# Altium PCB UPS.PcbDoc (part 1 of 2) (continued)
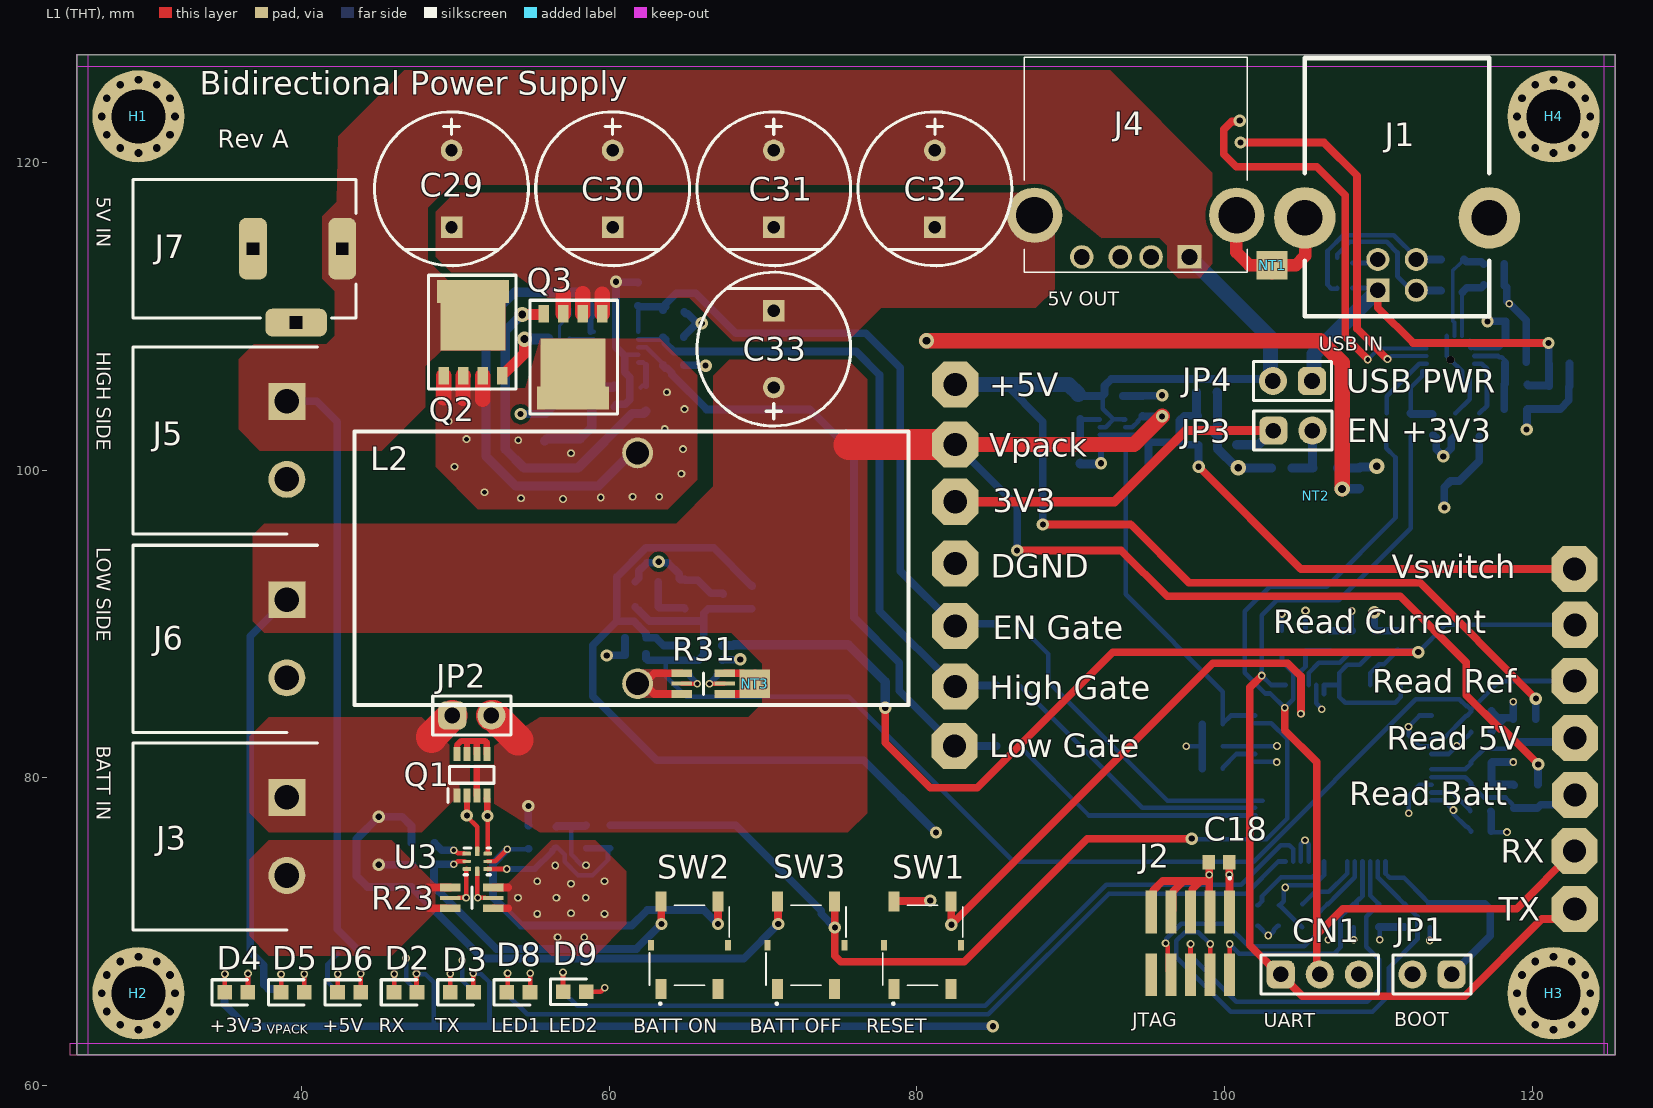
[diagram p0: L1 (THT) view]
## Part data (continued)
JP1 JP2 JP3 JP4: "Interconnection Device", Contact Resistance=20mR, Dielectric Withstanding Voltage (AC)=500V, Insulation Color=Black, Insulation Resistance=5GR, Manufacturer=Harwin, Manufacturer Part Number=M7582-46, Manufacturer Series=M75, Max Operating Temperature=105°C, Min Operating Temperature=-55°C, Rated Current (Signal)=1A, Supplier Part Number=855-M7582-46, Additional Feature="ROHS COMPLIANT", Body Breadth=0.094inch, Body Depth=0.236inch, Body Length=0.197inch, Body/Shell Style=PLUG, Category=Uncategorized, ComponentLink1Description=https://datasheet.ciiva.com:443/pdfs/VipMasterIC/IC/HRWN/HRWNS06295/HRWNS06295-1.pdf?src-supplier=IHS+Markit, ComponentLink1URL=https://datasheet.ciiva.com:443/pdfs/VipMasterIC/IC/HRWN/HRWNS06295/HRWNS06295-1.pdf?src-supplier=IHS+Markit, ComponentLink2Description=http://www.mouser.com/ds/2/181/M7580-M7583-351524.pdf?src-supplier=Mouser, ComponentLink2URL=http://www.mouser.com/ds/2/181/M7580-M7583-351524.pdf?src-supplier=Mouser, ComponentLink3Description=https://cdn.harwin.com/pdfs/Harwin_PC_Connectors_M20.pdf?src-supplier=Digikey, ComponentLink3URL=https://cdn.harwin.com/pdfs/Harwin_PC_Connectors_M20.pdf?src-supplier=Digikey, ComponentLink4Description=http://www.harwin.com/include/downloads/pdfs/2010PAGE125.PDF?src-supplier=Avnet, ComponentLink4URL=http://www.harwin.com/include/downloads/pdfs/2010PAGE125.PDF?src-supplier=Avnet, Connector Type="Interconnection Device", Contact Finish - Mating=SN, Contact Finish - Termination="Tin (Sn)", Contact Gender=Female, Contact Material=Bronze, Contact Pattern=RECTANGULAR, Contact Style="SQ PIN-SKT", Insertion Force-Max=6.672N, Insulation Material=Glass, JESD-609 Code=e3, Mating Contact Pitch=0.1inch, Mounting Style=STRAIGHT, Number Of Connectors=1, Number of Contacts=2, Number of Rows Loaded=1, Pricing="1=0.19, 10=0.125, 50=0.125, 100=0.104, 1000=0.075, 10000=0.072 (USD)", Reach SVHC Compliant=Yes, Reference Standard=UL, Reliability=COMMERCIAL, RoHS=Yes, RoHS Compliant=Yes, Stock=4991, Supplier=Mouser
L1: library part 10uH, "General Purpose Inductor, 10uH, 20%, 1 Element, Ferrite-Core, SMD, 1608M", Case/Size Code=1608-M, DC Resistance (DCR)=900mR, Inductor Application="POWER INDUCTOR", Inductor Type="GENERAL PURPOSE INDUCTOR", Manufacturer=TDK, Manufacturer Part Number=MLZ1608E100MT, Manufacturer Series=MLZ, Max Current Rating=250mA, Max Operating Temperature=125°C, Min Operating Temperature=-55°C, Package Height=0.8mm, Package Length=1.6mm, Package Style=SMTMeter, Self Resonant Frequency=50MHz, Supplier Part Number=810-MLZ1608E100MT, Test Frequency=2MHz, Tolerance=20%, Category="Fixed Inductors", Channels=1, ComponentLink1Description=https://datasheet.ciiva.com:443/pdfs/VipMasterIC/IC/TDKC/TDKCS08829/TDKCS08829-1.pdf?src-supplier=IHS+Markit, ComponentLink1URL=https://datasheet.ciiva.com:443/pdfs/VipMasterIC/IC/TDKC/TDKCS08829/TDKCS08829-1.pdf?src-supplier=IHS+Markit, ComponentLink2Description=https://datasheet.ciiva.com/11802/0900766b8082f86a-11802168.pdf?src-supplier=Rs, ComponentLink2URL=https://datasheet.ciiva.com/11802/0900766b8082f86a-11802168.pdf?src-supplier=Rs, ComponentLink3Description=https://datasheet.ciiva.com/4963/inductor-commercial-decoupling-mlz-en-310280-4963660.pdf?src-supplier=Mouser, ComponentLink3URL=https://datasheet.ciiva.com/4963/inductor-commercial-decoupling-mlz-en-310280-4963660.pdf?src-supplier=Mouser, Construction="Magnetic Shielded", Core Material=Ferrite, Inductance-Nom (L)=10uH, Package Width=0.8mm, Packaging="Tape and Reel", Pins=2, Pricing="1=0.1, 10=0.092, 50=0.092, 100=0.065, 1000=0.045, 10000=0.038 (USD)", Reach SVHC Compliant=Yes, RoHS=Yes, RoHS Compliant=Yes, Series=MLZ1608, Shape/Size Description="RECTANGULAR PACKAGE", Shielding=Shielded, Stock=135059, Supplier=Mouser, Surface Mount=Yes, Terminal Placement="Dual Ended", Termination=Wraparound
L2: "Hand made inductance"
NT1 NT2 NT3: "NetTie 1 -> 1", ID=22, Inventory_Category=Other, Part Class=NetTie, Technology=SMT
Q1: "Power Field-Effect Transistor, 11A I(D), N-Channel, Metal-oxide Semiconductor FET", Drain Current-Max (Abs) (ID)=11A, Manufacturer="ON Semiconductor", Manufacturer_Name=onsemi, Max Operating Temperature=150°C, Mouser Part Number=863-ECH8695R-TL-W, Power Dissipation-Max (Abs)=1.5W, Arrow Part Number=ECH8695R-TL-W, Arrow Price/Stock=https://www.arrow.com/en/products/ech8695r-tl-w/on-semiconductor?region=europe, Category=MOSFETs, ComponentLink1Description=https://datasheet.ciiva.com:443/pdfs/VipMasterIC/IC/ONSM/ONSM-S-A0002809098/ONSM-S-A0002809098-1.pdf?src-supplier=IHS+Markit, ComponentLink1URL=https://datasheet.ciiva.com:443/pdfs/VipMasterIC/IC/ONSM/ONSM-S-A0002809098/ONSM-S-A0002809098-1.pdf?src-supplier=IHS+Markit, ComponentLink2Description=http://www.mouser.com/ds/2/308/ENA2314-D-466764.pdf?src-supplier=Mouser, ComponentLink2URL=http://www.mouser.com/ds/2/308/ENA2314-D-466764.pdf?src-supplier=Mouser, ComponentLink3Description=http://uk.rs-online.com/webdocs/1366/0900766b81366e5e.pdf?src-supplier=Rs, ComponentLink3URL=http://uk.rs-online.com/webdocs/1366/0900766b81366e5e.pdf?src-supplier=Rs, ComponentLink4Description=http://www.alliedelec.com/m/d/7426d35da80661b4f4a350039c44cd95.pdf?src-supplier=Allied+Electronics, ComponentLink4URL=http://www.alliedelec.com/m/d/7426d35da80661b4f4a350039c44cd95.pdf?src-supplier=Allied+Electronics, ComponentLink5Description=http://www.onsemi.com/pub/Collateral/ECH8695R-D.PDF?src-supplier=Digikey, ComponentLink5URL=http://www.onsemi.com/pub/Collateral/ECH8695R-D.PDF?src-supplier=Digikey, ComponentLink6Description=http://www.onsemi.com/pub/Collateral/ENA2314-D.PDF?src-supplier=Avnet, ComponentLink6URL=http://www.onsemi.com/pub/Collateral/ENA2314-D.PDF?src-supplier=Avnet, Datasheet Link=https://datasheet.datasheetarchive.com/originals/distributors/DKDS-17/338047.pdf, FET Technology="METAL-OXIDE SEMICONDUCTOR", Height=0.95mm, JESD-609 Code=e6, Manufacturer Part Number=ECH8695R-TL-W, Manufacturer_Part_Number=ECH8695R-TL-W, Moisture Sensitivity Level=1, Mouser Price/Stock=https://www.mouser.co.uk/ProductDetail/ON-Semiconductor/ECH8695R-TL-W?qs=dbuNSGnowt2koJiK%2FkW5Eg%3D%3D, Polarity/Channel Type=N-CHANNEL, Pricing="1=0.62, 10=0.473, 50=0.473, 100=0.364, 1000=0.295, 10000=0.246 (USD)", Reach SVHC Compliant=No, RoHS=Yes, RoHS Compliant=Yes, Stock=28139, Supplier=Mouser, Supplier Part Number=863-ECH8695R-TL-W, Surface Mount=Yes, Terminal Finish=Tin
Q2 Q3: library part PSMN1R2-25YLDX, "Power Field-Effect Transistor, 100A I(D), 25V, 0.00169ohm, 1-Element, N-Channel, Silicon, Metal-oxide Semiconductor FET, MO-235", Avalanche Energy Rating (Eas)=1293mJ, Case Connection=DRAIN, Drain Current-Max (ID)=100A, Drain-source On Resistance-Max=1.69mR, DS Breakdown Voltage-Min=25V, Manufacturer=Nexperia, Operating Mode="ENHANCEMENT MODE", Package Body Material=Plastic, Package Shape=Rectangular, Package Style="SMALL OUTLINEMeter", Pulsed Drain Current-Max (IDM)=1.163kA, Supplier Part Number=771-PSMN1R2-25YLDX, Additional Feature="HIGH RELIABILITY", Category=Transistors, ComponentLink1Description=https://datasheet.ciiva.com:443/pdfs/VipMasterIC/IC/NEXP/NEXP-S-A0003107917/NEXP-S-A0003107917-1.pdf?src-supplier=IHS+Markit, ComponentLink1URL=https://datasheet.ciiva.com:443/pdfs/VipMasterIC/IC/NEXP/NEXP-S-A0003107917/NEXP-S-A0003107917-1.pdf?src-supplier=IHS+Markit, FET Technology="METAL-OXIDE SEMICONDUCTOR", JEDEC-95 Code=MO-235, Manufacturer Part Number=PSMN1R2-25YLDX, Number of Elements=1, Pins=4, Polarity/Channel Type=N-CHANNEL, Pricing="1=0.7, 10=0.694, 50=0.694, 100=0.663, 1000=0.483, 10000=0.481 (USD)", Reach SVHC Compliant=No, Reference Standard=IEC-60134, RoHS=Yes, RoHS Compliant=Yes, Stock=20971, Supplier=Mouser, Surface Mount=Yes, Terminal Form="Gull Wing", Terminal Position=SINGLE, Transistor Application=SWITCHING, Transistor Element Material=SILICON
R1 R2 R19: "Fixed Resistor, Metal Glaze/thick Film, 0.1W, 20ohm, 75V, 1% +/-Tol, 100ppm/Cel, Surface Mount, 0603", Case/Package=0603, Manufacturer=Vishay, Manufacturer Part Number=CRCW060320R0FKEA, Max Operating Temperature=155°C, Min Operating Temperature=-55°C, Package Height=0.45mm, Package Length=1.55mm, Package Shape=Rectangular, Package Width=0.85mm, Rated Temperature=70°C, Resistor Type="FIXED RESISTOR", Supplier Part Number=71-CRCW0603-20-E3, Temperature Coefficient=100ppm/°C, Working Voltage=75V, Category="Chip SMD Resistors", ComponentLink1Description=https://datasheet.ciiva.com:443/pdfs/VipMasterIC/IC/VISH/VISH-S-A0007266705/VISH-S-A0007266705-1.pdf?src-supplier=IHS+Markit, ComponentLink1URL=https://datasheet.ciiva.com:443/pdfs/VipMasterIC/IC/VISH/VISH-S-A0007266705/VISH-S-A0007266705-1.pdf?src-supplier=IHS+Markit, ComponentLink2Description=https://datasheet.ciiva.com/11810/0900766b80d98afc-11810778.pdf?src-supplier=Rs, ComponentLink2URL=https://datasheet.ciiva.com/11810/0900766b80d98afc-11810778.pdf?src-supplier=Rs, ComponentLink3Description=https://datasheet.ciiva.com/26316/fld-crcw-e3-data-en-26316589.pdf?src-supplier=Distrelec, ComponentLink3URL=https://datasheet.ciiva.com/26316/fld-crcw-e3-data-en-26316589.pdf?src-supplier=Distrelec, ComponentLink4Description=https://datasheet.ciiva.com/16776/70201119-16776202.pdf?src-supplier=Allied+Electronics, ComponentLink4URL=https://datasheet.ciiva.com/16776/70201119-16776202.pdf?src-supplier=Allied+Electronics, ComponentLink5Description=https://datasheet.ciiva.com/16788/70201119-16788011.pdf?src-supplier=Allied+Electronics, ComponentLink5URL=https://datasheet.ciiva.com/16788/70201119-16788011.pdf?src-supplier=Allied+Electronics, ComponentLink6Description=https://datasheet.ciiva.com/3257/dcrcwe3-3257244.pdf?src-supplier=Avnet, ComponentLink6URL=https://datasheet.ciiva.com/3257/dcrcwe3-3257244.pdf?src-supplier=Avnet, ComponentLink7Description=https://datasheet.ciiva.com/16374/dcrcwe3-16374634.pdf?src-supplier=Future+Electronics, ComponentLink7URL=https://datasheet.ciiva.com/16374/dcrcwe3-16374634.pdf?src-supplier=Future+Electronics, ComponentLink8Description=https://datasheet.ciiva.com/7748/1533075-7748858.pdf?src-supplier=Element14, ComponentLink8URL=https://datasheet.ciiva.com/7748/1533075-7748858.pdf?src-supplier=Element14, ComponentLink9Description=https://datasheet.ciiva.com/2465/dcrcwe3-2465673.pdf?src-supplier=Digikey, ComponentLink9URL=https://datasheet.ciiva.com/2465/dcrcwe3-2465673.pdf?src-supplier=Digikey, ComponentLink10Description=https://datasheet.ciiva.com/2465/dcrcwe3-2465674.pdf?src-supplier=Digikey, ComponentLink10URL=https://datasheet.ciiva.com/2465/dcrcwe3-2465674.pdf?src-supplier=Digikey, ComponentLink11Description=https://datasheet.ciiva.com/2465/dcrcwe3-2465672.pdf?src-supplier=Digikey, ComponentLink11URL=https://datasheet.ciiva.com/2465/dcrcwe3-2465672.pdf?src-supplier=Digikey, ComponentLink12Description=https://datasheet.ciiva.com/5548/dcrcwe3-109170-5548022.pdf?src-supplier=Mouser, ComponentLink12URL=https://datasheet.ciiva.com/5548/dcrcwe3-109170-5548022.pdf?src-supplier=Mouser, ComponentLink13Description=https://datasheet.ciiva.com/3257/dcrcwe3-3257243.pdf?src-supplier=Avnet, ComponentLink13URL=https://datasheet.ciiva.com/3257/dcrcwe3-3257243.pdf?src-supplier=Avnet, Construction=Chip, JESD-609 Code=e3, Mounting Technology="Surface Mount", Packaging="Tape and Reel", Pins=2, Pricing="1=0.1, 10=0.014, 50=0.014, 100=0.01, 1000=0.008, 10000=0.004 (USD)", Reach SVHC Compliant=Yes, Reference Standard=AEC-Q200, RoHS=Yes, RoHS Compliant=Yes, Stock=239322, Technology="METAL GLAZE/THICK FILM", Terminal Finish=Nickel, Termination=Wraparound
R3: "22.1K F 1/16 0603", Manufacturer="Mitsubishi Kamaya", Manufacturer Part Number=RMC1/16K2212FTP, Supplier Part Number=791-RMC1/16K2212FTP, Pricing="1=0.1, 10=0.011, 50=0.011, 100=0.005, 1000=0.002, 10000=0.001 (USD)", RoHS=No, Stock=67571
R4 R5 R18 R21 R33 R35 R36 R39: "Fixed Resistor, Metal Glaze/thick Film, 0.1W, 100ohm, 75V, 5% +/-Tol, 100ppm/Cel, Surface Mount, 0603", Case/Package=0603, Manufacturer=Yageo, Manufacturer Part Number=RC0603JR-13100RL, Max Operating Temperature=155°C, Min Operating Temperature=-55°C, Package Height=0.45mm, Package Length=1.6mm, Package Shape=Rectangular, Package Width=0.8mm, Rated Temperature=70°C, Resistor Type="FIXED RESISTOR", Supplier Part Number=603-RC0603JR-13100RL, Temperature Coefficient=100ppm/°C, Working Voltage=75V, Additional Feature="LASER TRIMMABLE", Category="Chip SMD Resistors", ComponentLink1Description=https://datasheet.ciiva.com:443/pdfs/VipMasterIC/IC/YAGO/YAGO-S-A0008145938/YAGO-S-A0008145938-1.pdf?src-supplier=IHS+Markit, ComponentLink1URL=https://datasheet.ciiva.com:443/pdfs/VipMasterIC/IC/YAGO/YAGO-S-A0008145938/YAGO-S-A0008145938-1.pdf?src-supplier=IHS+Markit, ComponentLink2Description=https://datasheet.ciiva.com/12558/rc0603-272842-12558903.pdf?src-supplier=Mouser, ComponentLink2URL=https://datasheet.ciiva.com/12558/rc0603-272842-12558903.pdf?src-supplier=Mouser, ComponentLink3Description=https://datasheet.ciiva.com/7983/443971-7983750.pdf?src-supplier=Element14, ComponentLink3URL=https://datasheet.ciiva.com/7983/443971-7983750.pdf?src-supplier=Element14, Construction=Chip, JESD-609 Code=e3, Mounting Technology="Surface Mount", Packaging="Tape and Reel", Pins=2, Pricing="1=0.1, 10=0.01, 50=0.01, 100=0.006, 1000=0.005, 10000=0.003 (USD)", Reach SVHC Compliant=Yes, RoHS=Yes, RoHS Compliant=Yes, Stock=92782, Technology="METAL GLAZE/THICK FILM", Terminal Finish=Nickel, Termination=Wraparound
R6 R20 R22: "Fixed Resistor, Metal Glaze/thick Film, 0.1W, 1000ohm, 75V, 1% +/-Tol, 100ppm/Cel, Surface Mount, 0603", Case/Package=0603, Manufacturer=Bourns, Manufacturer Part Number=CR0603-FX-1001ELF, Max Operating Temperature=155°C, Min Operating Temperature=-55°C, Package Height=0.45mm, Package Length=1.6mm, Package Shape=Rectangular, Package Width=0.8mm, Rated Temperature=70°C, Resistor Type="FIXED RESISTOR", Supplier Part Number=652-CR0603FX-1001ELF, Temperature Coefficient=100ppm/°C, Working Voltage=50V, Category="Chip SMD Resistors", ComponentLink1Description=https://datasheet.ciiva.com:443/pdfs/VipMasterIC/IC/BOUR/BOUR-S-A0009069624/BOUR-S-A0009069624-1.pdf?src-supplier=IHS+Markit, ComponentLink1URL=https://datasheet.ciiva.com:443/pdfs/VipMasterIC/IC/BOUR/BOUR-S-A0009069624/BOUR-S-A0009069624-1.pdf?src-supplier=IHS+Markit, ComponentLink2Description=https://datasheet.ciiva.com/11808/0900766b80fcdb72-11808035.pdf?src-supplier=Rs, ComponentLink2URL=https://datasheet.ciiva.com/11808/0900766b80fcdb72-11808035.pdf?src-supplier=Rs, ComponentLink3Description=https://datasheet.ciiva.com/19466/774882-19466523.pdf?src-supplier=Jameco, ComponentLink3URL=https://datasheet.ciiva.com/19466/774882-19466523.pdf?src-supplier=Jameco, ComponentLink4Description=https://datasheet.ciiva.com/7001/1902866-7001622.pdf?src-supplier=Newark, ComponentLink4URL=https://datasheet.ciiva.com/7001/1902866-7001622.pdf?src-supplier=Newark, ComponentLink5Description=https://datasheet.ciiva.com/7986/691949-7986156.pdf?src-supplier=Element14, ComponentLink5URL=https://datasheet.ciiva.com/7986/691949-7986156.pdf?src-supplier=Element14, ComponentLink6Description=https://datasheet.ciiva.com/22693/1902866-22693205.pdf?src-supplier=Element14, ComponentLink6URL=https://datasheet.ciiva.com/22693/1902866-22693205.pdf?src-supplier=Element14, ComponentLink7Description=https://datasheet.ciiva.com/5546/chpreztr-5546283.pdf?src-supplier=Mouser, ComponentLink7URL=https://datasheet.ciiva.com/5546/chpreztr-5546283.pdf?src-supplier=Mouser, ComponentLink8Description=https://datasheet.ciiva.com/16757/70154685-16757482.pdf?src-supplier=Allied+Electronics, ComponentLink8URL=https://datasheet.ciiva.com/16757/70154685-16757482.pdf?src-supplier=Allied+Electronics, ComponentLink9Description=https://datasheet.ciiva.com/3255/chpreztr-3255917.pdf?src-supplier=Avnet, ComponentLink9URL=https://datasheet.ciiva.com/3255/chpreztr-3255917.pdf?src-supplier=Avnet, ComponentLink10Description=https://datasheet.ciiva.com/6547/chpreztr-6547350.pdf?src-supplier=Digikey, ComponentLink10URL=https://datasheet.ciiva.com/6547/chpreztr-6547350.pdf?src-supplier=Digikey, ComponentLink11Description=https://datasheet.ciiva.com/6547/chpreztr-6547351.pdf?src-supplier=Digikey, ComponentLink11URL=https://datasheet.ciiva.com/6547/chpreztr-6547351.pdf?src-supplier=Digikey, ComponentLink12Description=https://datasheet.ciiva.com/6547/chpreztr-6547349.pdf?src-supplier=Digikey, ComponentLink12URL=https://datasheet.ciiva.com/6547/chpreztr-6547349.pdf?src-supplier=Digikey, ComponentLink13Description=https://datasheet.ciiva.com/30115/159chpreztr-30115222.pdf?src-supplier=Onlinecomponents.com, ComponentLink13URL=https://datasheet.ciiva.com/30115/159chpreztr-30115222.pdf?src-supplier=Onlinecomponents.com, Construction=Chip, JESD-609 Code=e3, Mounting Technology="Surface Mount", Packaging="Tape and Reel", Pins=2, Pricing="1=0.1, 10=0.009, 50=0.009, 100=0.005, 1000=0.004, 10000=0.002 (USD)", Reach SVHC Compliant=Yes, RoHS=Yes, RoHS Compliant=Yes, Stock=320220, Technology="RUTHENIUM OXIDE", Terminal Finish=Nickel, Termination=Wraparound
R7: "Fixed Resistor, Metal Glaze/thick Film, 0.1W, 47500ohm, 75V, 1% +/-Tol, 100ppm/Cel, Surface Mount, 0603", Case/Package=0603, Manufacturer=Yageo, Manufacturer Part Number=RC0603FR-0747K5L, Max Operating Temperature=155°C, Min Operating Temperature=-55°C, Package Height=0.45mm, Package Length=1.6mm, Package Shape=Rectangular, Package Width=0.8mm, Rated Temperature=70°C, Resistor Type="FIXED RESISTOR", Supplier Part Number=603-RC0603FR-0747K5L, Temperature Coefficient=100ppm/°C, Working Voltage=75V, Additional Feature="LASER TRIMMABLE", Category="Chip SMD Resistors", ComponentLink1Description=https://datasheet.ciiva.com:443/pdfs/VipMasterIC/IC/YAGO/YAGO-S-A0008145938/YAGO-S-A0008145938-1.pdf?src-supplier=IHS+Markit, ComponentLink1URL=https://datasheet.ciiva.com:443/pdfs/VipMasterIC/IC/YAGO/YAGO-S-A0008145938/YAGO-S-A0008145938-1.pdf?src-supplier=IHS+Markit, ComponentLink2Description=https://datasheet.ciiva.com/11808/0900766b80f96399-11808343.pdf?src-supplier=Rs, ComponentLink2URL=https://datasheet.ciiva.com/11808/0900766b80f96399-11808343.pdf?src-supplier=Rs, ComponentLink3Description=https://datasheet.ciiva.com/2454/pyu-r-int-thick-7-2454789.pdf?src-supplier=Digikey, ComponentLink3URL=https://datasheet.ciiva.com/2454/pyu-r-int-thick-7-2454789.pdf?src-supplier=Digikey, ComponentLink4Description=https://datasheet.ciiva.com/2454/pyu-r-int-thick-7-2454790.pdf?src-supplier=Digikey, ComponentLink4URL=https://datasheet.ciiva.com/2454/pyu-r-int-thick-7-2454790.pdf?src-supplier=Digikey, ComponentLink5Description=https://datasheet.ciiva.com/2454/pyu-r-int-thick-7-2454791.pdf?src-supplier=Digikey, ComponentLink5URL=https://datasheet.ciiva.com/2454/pyu-r-int-thick-7-2454791.pdf?src-supplier=Digikey, ComponentLink6Description=https://datasheet.ciiva.com/12555/rc0603-272842-12555285.pdf?src-supplier=Mouser, ComponentLink6URL=https://datasheet.ciiva.com/12555/rc0603-272842-12555285.pdf?src-supplier=Mouser, ComponentLink7Description=https://datasheet.ciiva.com/15189/getdatasheetpartid-135115-15189741.pdf?src-supplier=Verical, ComponentLink7URL=https://datasheet.ciiva.com/15189/getdatasheetpartid-135115-15189741.pdf?src-supplier=Verical, Construction=Chip, JESD-609 Code=e3, Mounting Technology="Surface Mount", Packaging="Tape and Reel", Pins=2, Pricing="1=0.1, 10=0.011, 50=0.011, 100=0.007, 1000=0.005, 10000=0.002 (USD)", Reach SVHC Compliant=Yes, RoHS=Yes, RoHS Compliant=Yes, Stock=313163, Technology="METAL GLAZE/THICK FILM", Terminal Finish=Nickel, Termination=Wraparound
R8 R9 R24 R27 R28 R29 R46 R47: "Fixed Resistor, Metal Glaze/thick Film, 0.1W, 330ohm, 75V, 1% +/-Tol, 100ppm/Cel, Surface Mount, 0603", Case/Package=0603, Manufacturer="Walsin Technologies", Manufacturer Part Number=WR06X3300FTL, Max Operating Temperature=155°C, Min Operating Temperature=-55°C, Package Height=0.45mm, Package Length=1.6mm, Package Shape=Rectangular, Package Width=0.8mm, Rated Temperature=70°C, Resistor Type="FIXED RESISTOR", Supplier Part Number=791-WR06X3300FTL, Temperature Coefficient=100ppm/°C, Working Voltage=50V, Category="Chip SMD Resistors", ComponentLink1Description=https://datasheet.ciiva.com:443/pdfs/VipMasterIC/IC/WATC/WATC-S-A0005256878/WATC-S-A0005256878-1.pdf?src-supplier=IHS+Markit, ComponentLink1URL=https://datasheet.ciiva.com:443/pdfs/VipMasterIC/IC/WATC/WATC-S-A0005256878/WATC-S-A0005256878-1.pdf?src-supplier=IHS+Markit, ComponentLink2Description=http://www.farnell.com/datasheets/1960319.pdf?src-supplier=Farnell, ComponentLink2URL=http://www.farnell.com/datasheets/1960319.pdf?src-supplier=Farnell, ComponentLink3Description=https://datasheet.octopart.com/WR06X3300FTL-Walsin-Technologies-datasheet-48038251.pdf?src-supplier=Element14, ComponentLink3URL=https://datasheet.octopart.com/WR06X3300FTL-Walsin-Technologies-datasheet-48038251.pdf?src-supplier=Element14, ComponentLink4Description=https://www.verical.com/server-webapp/html/getDatasheet?partID=414704&src-supplier=Verical, ComponentLink4URL=https://www.verical.com/server-webapp/html/getDatasheet?partID=414704&src-supplier=Verical, Construction=Chip, JESD-609 Code=e3, Mounting Technology="Surface Mount", Packaging="Tape and Reel", Pins=2, Pricing="1=0.1, 10=0.007, 50=0.007, 100=0.003, 1000=0.003, 10000=0.001 (USD)", Reach SVHC Compliant=Yes, RoHS=Yes, RoHS Compliant=Yes, Stock=10415, Technology="METAL GLAZE/THICK FILM", Terminal Finish=Nickel, Termination=Wraparound
R10 R25 R26 R30 R38 R45: "Fixed Resistor, Metal Glaze/thick Film, 0.1W, 10000ohm, 75V, 1% +/-Tol, 100ppm/Cel, Surface Mount, 0603", Case/Package=0603, Manufacturer=Bourns, Manufacturer Part Number=CR0603-FX-1002ELF, Max Operating Temperature=155°C, Min Operating Temperature=-55°C, Package Height=0.45mm, Package Length=1.6mm, Package Shape=Rectangular, Package Width=0.8mm, Rated Temperature=70°C, Resistor Type="FIXED RESISTOR", Supplier Part Number=652-CR0603FX-1002ELF, Temperature Coefficient=100ppm/°C, Working Voltage=50V, Category="Chip SMD Resistors", ComponentLink1Description=https://datasheet.ciiva.com:443/pdfs/VipMasterIC/IC/BOUR/BOUR-S-A0009069624/BOUR-S-A0009069624-1.pdf?src-supplier=IHS+Markit, ComponentLink1URL=https://datasheet.ciiva.com:443/pdfs/VipMasterIC/IC/BOUR/BOUR-S-A0009069624/BOUR-S-A0009069624-1.pdf?src-supplier=IHS+Markit, ComponentLink2Description=https://datasheet.ciiva.com/11808/0900766b80fcdb72-11808032.pdf?src-supplier=Rs, ComponentLink2URL=https://datasheet.ciiva.com/11808/0900766b80fcdb72-11808032.pdf?src-supplier=Rs, ComponentLink3Description=https://datasheet.ciiva.com/27049/774903-27049975.pdf?src-supplier=Jameco, ComponentLink3URL=https://datasheet.ciiva.com/27049/774903-27049975.pdf?src-supplier=Jameco, ComponentLink4Description=https://datasheet.ciiva.com/22644/1849498-22644171.pdf?src-supplier=Element14, ComponentLink4URL=https://datasheet.ciiva.com/22644/1849498-22644171.pdf?src-supplier=Element14, ComponentLink5Description=https://datasheet.ciiva.com/22693/1902866-22693206.pdf?src-supplier=Element14, ComponentLink5URL=https://datasheet.ciiva.com/22693/1902866-22693206.pdf?src-supplier=Element14, ComponentLink6Description=https://datasheet.ciiva.com/5548/chpreztr-5548911.pdf?src-supplier=Mouser, ComponentLink6URL=https://datasheet.ciiva.com/5548/chpreztr-5548911.pdf?src-supplier=Mouser, ComponentLink7Description=https://datasheet.ciiva.com/16757/70154685-16757483.pdf?src-supplier=Allied+Electronics, ComponentLink7URL=https://datasheet.ciiva.com/16757/70154685-16757483.pdf?src-supplier=Allied+Electronics, ComponentLink8Description=https://datasheet.ciiva.com/3255/chpreztr-3255918.pdf?src-supplier=Avnet, ComponentLink8URL=https://datasheet.ciiva.com/3255/chpreztr-3255918.pdf?src-supplier=Avnet, ComponentLink9Description=https://datasheet.ciiva.com/7001/1902866-7001623.pdf?src-supplier=Newark, ComponentLink9URL=https://datasheet.ciiva.com/7001/1902866-7001623.pdf?src-supplier=Newark, Construction=Chip, JESD-609 Code=e3, Mounting Technology="Surface Mount", Packaging="Tape and Reel", Pins=2, Pricing="1=0.1, 10=0.009, 50=0.009, 100=0.005, 1000=0.004, 10000=0.002 (USD)", Reach SVHC Compliant=Yes, RoHS=Yes, RoHS Compliant=Yes, Stock=335503, Technology="RUTHENIUM OXIDE", Terminal Finish=Nickel, Termination=Wraparound
R11 R40 R41 R42: "Fixed Resistor, Metal Glaze/thick Film, 0.1W, 3300ohm, 75V, 1% +/-Tol, 100ppm/Cel, Surface Mount, 0603", Case/Package=0603, Manufacturer=Yageo, Manufacturer Part Number=RC0603FR-073K3L, Max Operating Temperature=155°C, Min Operating Temperature=-55°C, Package Height=0.45mm, Package Length=1.6mm, Package Shape=Rectangular, Package Width=0.8mm, Power=100mW, Rated Temperature=70°C, Resistor Type="FIXED RESISTOR", Supplier Part Number=603-RC0603FR-073K3L, Temperature Coefficient=100ppm/°C, Tolerance=1%, Working Voltage=75V, Additional Feature="LASER TRIMMABLE", Category="Chip SMD Resistors", ComponentLink1Description=https://datasheet.ciiva.com:443/pdfs/VipMasterIC/IC/YAGO/YAGO-S-A0008145938/YAGO-S-A0008145938-1.pdf?src-supplier=IHS+Markit, ComponentLink1URL=https://datasheet.ciiva.com:443/pdfs/VipMasterIC/IC/YAGO/YAGO-S-A0008145938/YAGO-S-A0008145938-1.pdf?src-supplier=IHS+Markit, ComponentLink2Description=https://datasheet.ciiva.com/7746/1686128-7746345.pdf?src-supplier=Element14, ComponentLink2URL=https://datasheet.ciiva.com/7746/1686128-7746345.pdf?src-supplier=Element14, ComponentLink3Description=https://datasheet.ciiva.com/46440/1868787-46440905.pdf?src-supplier=Element14, ComponentLink3URL=https://datasheet.ciiva.com/46440/1868787-46440905.pdf?src-supplier=Element14, ComponentLink4Description=https://datasheet.ciiva.com/2453/pyu-r-int-thick-7-2453926.pdf?src-supplier=Digikey, ComponentLink4URL=https://datasheet.ciiva.com/2453/pyu-r-int-thick-7-2453926.pdf?src-supplier=Digikey, ComponentLink5Description=https://datasheet.ciiva.com/2453/pyu-r-int-thick-7-2453927.pdf?src-supplier=Digikey, ComponentLink5URL=https://datasheet.ciiva.com/2453/pyu-r-int-thick-7-2453927.pdf?src-supplier=Digikey, ComponentLink6Description=https://datasheet.ciiva.com/7746/443971-7746344.pdf?src-supplier=Element14, ComponentLink6URL=https://datasheet.ciiva.com/7746/443971-7746344.pdf?src-supplier=Element14, ComponentLink7Description=https://datasheet.ciiva.com/7746/443971-7746346.pdf?src-supplier=Element14, ComponentLink7URL=https://datasheet.ciiva.com/7746/443971-7746346.pdf?src-supplier=Element14, Construction=Chip, JESD-609 Code=e3, Mounting Technology="Surface Mount", Packaging="Tape and Reel", Pins=2, Pricing="1=0.1, 10=0.012, 50=0.012, 100=0.007, 1000=0.005, 10000=0.004 (USD)", Reach SVHC Compliant=Yes, RoHS=Yes, RoHS Compliant=Yes, Stock=104017, Supplier=Mouser, Technology="METAL GLAZE/THICK FILM", Terminal Finish=Nickel, Termination=Wraparound
R12 R13 R14 R15 R16 R17 R43 R44: "Fixed Resistor, Metal Glaze/thick Film, 0.1W, 4700ohm, 75V, 1% +/-Tol, 100ppm/Cel, Surface Mount, 0603", Case/Package=0603, Manufacturer=Yageo, Manufacturer Part Number=AC0603FR-134K7L, Max Operating Temperature=155°C, Min Operating Temperature=-55°C, Package Height=0.45mm, Package Length=1.6mm, Package Shape=Rectangular, Package Width=0.8mm, Rated Temperature=70°C, Resistor Type="FIXED RESISTOR", Supplier Part Number=603-AC0603FR-134K7L, Temperature Coefficient=100ppm/°C, Working Voltage=75V, Additional Feature="LASER TRIMMABLE", Category="Chip SMD Resistors", ComponentLink1Description=https://datasheet.ciiva.com:443/pdfs/VipMasterIC/IC/YAGO/YAGO-S-A0003597364/YAGO-S-A0003597364-1.pdf?src-supplier=IHS+Markit, ComponentLink1URL=https://datasheet.ciiva.com:443/pdfs/VipMasterIC/IC/YAGO/YAGO-S-A0003597364/YAGO-S-A0003597364-1.pdf?src-supplier=IHS+Markit, ComponentLink2Description=https://datasheet.octopart.com/AC0603FR-134K7L-Yageo-datasheet-151884373.pdf?src-supplier=Future+Electronics, ComponentLink2URL=https://datasheet.octopart.com/AC0603FR-134K7L-Yageo-datasheet-151884373.pdf?src-supplier=Future+Electronics, Construction=Chip, JESD-609 Code=e3, Mounting Technology="Surface Mount", Packaging="Tape and Reel", Pins=2, Pricing="1=0.1, 10=0.009, 50=0.009, 100=0.006, 1000=0.005, 10000=0.003 (USD)", Reach SVHC Compliant=Yes, Reference Standard=AEC-Q200, RoHS=Yes, RoHS Compliant=Yes, Stock=48833, Technology="METAL GLAZE/THICK FILM", Terminal Finish=Nickel, Termination=Wraparound
R23: "Resistor Current Sense Metal Foil 1206 5m Ohm 1% 1W ±50ppm/°C T/R", Manufacturer=Eaton, Manufacturer Part Number=MFSA1206R0050FCM, Supplier Part Number=504-MFSA1206R0050FCM, Temperature Coefficient=50ppm/°C, Category="Chip SMD Resistors", Pricing="1=0.21, 10=0.173, 50=0.173, 100=0.128, 1000=0.096, 10000=0.062 (USD)", RoHS=No, Stock=9199
R31: "Resistor Current Sense Metal Foil 1206 10m Ohm 1% 1W ±50ppm/°C T/R", Manufacturer=Eaton, Manufacturer Part Number=MFSA1206R0050FCM, Supplier Part Number=504-MFSA1206R0050FCM, Temperature Coefficient=50ppm/°C, Category="Chip SMD Resistors", Pricing="1=0.21, 10=0.173, 50=0.173, 100=0.128, 1000=0.096, 10000=0.062 (USD)", RoHS=No, Stock=9199
R32 R34 R37: library part 5R, "Fixed Resistor, Thin Film, 0.1W, 5.1ohm, 75V, 0.5% +/-Tol, 25ppm/Cel, Surface Mount, 0603", Case/Package=0603, Manufacturer=Yageo, Manufacturer Part Number=RT0603DRD075R1L, Max Operating Temperature=155°C, Min Operating Temperature=-55°C, Package Height=0.45mm, Package Length=1.6mm, Package Width=0.8mm, Rated Temperature=70°C, Resistor Type="FIXED RESISTOR", Supplier Part Number=603-RT0603DRD075R1L, Temperature Coefficient=25ppm/°C, Working Voltage=75V, Category="Chip SMD Resistors", ComponentLink1Description=https://datasheet.ciiva.com:443/pdfs/VipMasterIC/IC/YAGO/YAGO-S-A0008510989/YAGO-S-A0008510989-1.pdf?src-supplier=IHS+Markit, ComponentLink1URL=https://datasheet.ciiva.com:443/pdfs/VipMasterIC/IC/YAGO/YAGO-S-A0008510989/YAGO-S-A0008510989-1.pdf?src-supplier=IHS+Markit, ComponentLink2Description=http://www.yageo.com/documents/recent/PYu-RT_1-to-0.01_RoHS_L_9.pdf?src-supplier=Digikey, ComponentLink2URL=http://www.yageo.com/documents/recent/PYu-RT_1-to-0.01_RoHS_L_9.pdf?src-supplier=Digikey, Construction=Chip, Mounting Technology="Surface Mount", Packaging="Tape and Reel", Pins=2, Pricing="1=0.1, 10=0.041, 50=0.041, 100=0.037, 1000=0.027, 10000=0.023 (USD)", Reach SVHC Compliant=Yes, RoHS=Yes, RoHS Compliant=Yes, Stock=10238, Technology="THIN FILM", Termination=Wraparound
SW1 SW2 SW3: "PTS526 Series SPST-NO Off-Mom 160 gf Top Actuated J Lead SMT Tactile Switch", Manufacturer="ITT C&K", Manufacturer Part Number=PTS526SMG15JSMTR2LFS, Supplier Part Number=611-TS526SMG15JSMR2L, Category="Tactile Switches", ComponentLink1Description=https://dznh3ojzb2azq.cloudfront.net/products/Tactile/PTS526/documents/datasheet.pdf?src-supplier=Digikey, ComponentLink1URL=https://dznh3ojzb2azq.cloudfront.net/products/Tactile/PTS526/documents/datasheet.pdf?src-supplier=Digikey, ComponentLink2Description=https://datasheet.octopart.com/PTS526SMG15JSMTR2LFS-C%26K-Components-datasheet-138817219.pdf?src-supplier=Future+Electronics, ComponentLink2URL=https://datasheet.octopart.com/PTS526SMG15JSMTR2LFS-C%26K-Components-datasheet-138817219.pdf?src-supplier=Future+Electronics, ComponentLink3Description=https://datasheet.octopart.com/PTS526SMG15JSMTR2LFS-C%26K-Components-datasheet-166147767.pdf?src-supplier=TME, ComponentLink3URL=https://datasheet.octopart.com/PTS526SMG15JSMTR2LFS-C%26K-Components-datasheet-166147767.pdf?src-supplier=TME, CompType="DTSM 32N/SMD", Distributor=RET, Note=DIPTRONICS, Order Code=52-01-71, Part Class=Other, Pricing="1=0.14, 10=0.118, 50=0.118, 100=0.112, 1000=0.086, 10000=0.083 (USD)", RoHS=No, Stock=4081, Supplier=Mouser
U1: "USB Bus Controller, CMOS", Manufacturer="Silicon Labs", Mouser Part Number=634-CP2102NA02QFN20R, Arrow Part Number=CP2102N-A02-GQFN20R, Arrow Price/Stock=https://www.arrow.com/en/products/cp2102n-a02-gqfn20r/silicon-labs?utm_currency=USD&region=nac, Category="Interface ICs", ComponentLink1Description=https://datasheet.ciiva.com:443/pdfs/VipMasterIC/IC/SILC/SILC-S-A0007770867/SILC-S-A0007770867-1.pdf?src-supplier=IHS+Markit, ComponentLink1URL=https://datasheet.ciiva.com:443/pdfs/VipMasterIC/IC/SILC/SILC-S-A0007770867/SILC-S-A0007770867-1.pdf?src-supplier=IHS+Markit, ComponentLink2Description=https://www.silabs.com/documents/public/data-sheets/cp2102n-datasheet.pdf?src-supplier=Digikey, ComponentLink2URL=https://www.silabs.com/documents/public/data-sheets/cp2102n-datasheet.pdf?src-supplier=Digikey, ComponentLink3Description=https://datasheet.octopart.com/CP2102N-A02-GQFN20R-Silicon-Labs-datasheet-138898368.pdf?src-supplier=SHENGYU+ELECTRONICS, ComponentLink3URL=https://datasheet.octopart.com/CP2102N-A02-GQFN20R-Silicon-Labs-datasheet-138898368.pdf?src-supplier=SHENGYU+ELECTRONICS, Datasheet Link=https://www.silabs.com/documents/public/data-sheets/cp2102n-datasheet.pdf, Height=0.8mm, Manufacturer Part Number=CP2102N-A02-GQFN20R, Manufacturer_Name="Silicon Labs", Manufacturer_Part_Number=CP2102N-A02-GQFN20R, Mouser Price/Stock=https://www.mouser.co.uk/ProductDetail/Silicon-Labs/CP2102N-A02-GQFN20R?qs=u16ybLDytRbf2uwPkMBdUg%3D%3D, Pricing="1=3.75, 10=3.73, 50=3.61, 100=3.24, 1000=2.43, 10000=2.08 (USD)", RoHS=Yes, Stock=75912, Supplier=Mouser, Supplier Part Number=634-CP2102NA02QFN20R
U2: library part F280038CPMRQ1, "Automotive C2000™ 32-bit MCU 120-MHz 384-KB flash, FPU, TMU with CLA, AES and CAN-FD", Manufacturer="Texas Instruments", Supplier Part Number=595-F280038PMRQ1, Category=Uncategorized, CompType=TMS320F280038-Q1, Copyright="Copyright (C) 2023 Ultra Librarian. All rights reserved.", Distributor=TI, Manufacturer Part Number=F280038PMRQ1, Manufacturer_Part_Number=F280038PMRQ1, Mfr_Name="Texas Instruments", Pricing="1=7.79, 10=7.04, 50=6.72, 100=5.83, 1000=4.35, 10000=4.35 (USD)", RefDes=RefDes, RoHS=No, Stock=993, Supplier=Mouser, Type=DEV
U3: "High-side protector for single-cell Li-ion and Li-polymer batteries with 0-V charge disabled 8-X2QFN -40 to 85", Manufacturer="Texas Instruments", Manufacturer Part Number=BQ298217RUGR, Supplier Part Number=595-BQ298217RUGR, Category="Integrated Circuits (ICs)", Pricing="1=0.69, 10=0.418, 50=0.418, 100=0.329, 1000=0.297, 10000=0.252 (USD)", RoHS=No, Stock=2505, Supplier=Mouser
U4: "Single-Ended Multiplexer, 1 Func, 2 Channel, PDSO8", Manufacturer="Texas Instruments", Manufacturer Part Number=TPS2116DRLR, Supplier Part Number=595-TPS2116DRLR, Category="Integrated Circuits (ICs)", Pricing="1=0.87, 10=0.736, 50=0.736, 100=0.565, 1000=0.394, 10000=0.336 (USD)", RoHS=No, RoHS Compliant=Yes, Stock=36554, Supplier=Mouser
U5: "Fixed Positive LDO Regulator, 3.3V, 0.25V Dropout, PDSO5", Manufacturer="Texas Instruments", Mouser Part Number=595-LP5907QMFX-3.3Q1, Arrow Part Number=LP5907QMFX-3.3Q1, Arrow Price/Stock=https://www.arrow.com/en/products/lp5907qmfx-3.3q1/texas-instruments, Category="Voltage Regulators - Linear", ComponentLink1Description=https://datasheet.ciiva.com:443/pdfs/VipMasterIC/IC/TXII/TXII-S-A0007849761/TXII-S-A0007849761-1.pdf?src-supplier=IHS+Markit, ComponentLink1URL=https://datasheet.ciiva.com:443/pdfs/VipMasterIC/IC/TXII/TXII-S-A0007849761/TXII-S-A0007849761-1.pdf?src-supplier=IHS+Markit, ComponentLink2Description=https://datasheet.ciiva.com/48677/lp5907-q1-48677563.pdf?src-supplier=Avnet, ComponentLink2URL=https://datasheet.ciiva.com/48677/lp5907-q1-48677563.pdf?src-supplier=Avnet, Datasheet Link=http://www.ti.com/lit/gpn/lp5907-q1, Height=1.45mm, Manufacturer Part Number=LP5907QMFX-3.3Q1, Manufacturer_Name="Texas Instruments", Manufacturer_Part_Number=LP5907QMFX-3.3Q1, Mouser Price/Stock=https://www.mouser.co.uk/ProductDetail/Texas-Instruments/LP5907QMFX-3.3Q1?qs=asCBFxFfL1RsL2VYqGFsBQ%3D%3D, Pricing="1=0.45, 10=0.274, 50=0.274, 100=0.22, 1000=0.22, 10000=0.218 (USD)", RoHS=No, Stock=6545, Supplier=Mouser, Supplier Part Number=595-LP5907QMFX-3.3Q1
U6: "Half Bridge Based MOSFET Driver", Manufacturer=Diodes, Supplier Part Number=621-DGD05473FN-7, Category="Integrated Circuits (ICs)", ComponentLink1Description=https://datasheet.ciiva.com:443/pdfs/VipMasterIC/IC/DIOD/DIOD-S-A0005038989/DIOD-S-A0005038989-1.pdf?src-supplier=IHS+Markit, ComponentLink1URL=https://datasheet.ciiva.com:443/pdfs/VipMasterIC/IC/DIOD/DIOD-S-A0005038989/DIOD-S-A0005038989-1.pdf?src-supplier=IHS+Markit, ComponentLink2Description=https://www.diodes.com/assets/Datasheets/DGD05473.pdf?src-supplier=Digikey, ComponentLink2URL=https://www.diodes.com/assets/Datasheets/DGD05473.pdf?src-supplier=Digikey, Interface IC Type="HALF BRIDGE BASED MOSFET DRIVER", Manufacturer Part Number=DGD05473FN-7, Pricing="1=0.57, 10=0.568, 50=0.568, 100=0.414, 1000=0.372, 10000=0.305 (USD)", Reach SVHC Compliant=Yes, RoHS=Yes, RoHS Compliant=Yes, Stock=8142, Supplier=Mouser
U7: "Operational Amplifier, 1 Func, 500uV Offset-Max, PDSO6", Average Bias Current-Max (IIB)=75uA, Case/Package=SOP, Input Offset Voltage-Max=500uV, Manufacturer="Texas Instruments", Manufacturer Part Number=INA181A1IDBVR, Max Operating Temperature=125°C, Min Operating Temperature=-40°C, Nominal Supply Voltage=5V, Package Body Material=Plastic, Package Shape=Rectangular, Package Style="SMALL OUTLINEMeter", Peak Reflow Temperature (Cel)=260°C, Supplier Part Number=595-INA181A1IDBVR, Supply Voltage Limit-Max=5.5V, Temperature Grade=AUTOMOTIVE, Amplifier Type="OPERATIONAL AMPLIFIER", Category="Amplifiers - Op Amps, Buffer, Instrumentation", Channels=1, Common-mode Reject Ratio-Nom=100dB, ComponentLink1Description=https://www.ti.com:443/lit/ds/symlink/ina181.pdf?src-supplier=IHS+Markit, ComponentLink1URL=https://www.ti.com:443/lit/ds/symlink/ina181.pdf?src-supplier=IHS+Markit, ComponentLink2Description=http://www.ti.com/lit/ds/symlink/ina181.pdf?src-supplier=Digikey, ComponentLink2URL=http://www.ti.com/lit/ds/symlink/ina181.pdf?src-supplier=Digikey, JESD-30 Code=R-PDSO-G6, JESD-609 Code=e3, Moisture Sensitivity Level=1, Pins=6, Pricing="1=0.43, 10=0.256, 50=0.256, 100=0.198, 1000=0.169, 10000=0.147 (USD)", Reach SVHC Compliant=Yes, RoHS=Yes, RoHS Compliant=Yes, Slew Rate=2V/µs, Stock=103029, Supplier=Mouser, Surface Mount=Yes, Terminal Finish=Tin, Terminal Form="Gull Wing", Terminal Position=DUAL, Unity Gain BW-Nom=350kHz
U8: "Three Terminal Voltage Reference, 1 Output, 1.24V, Trim/Adjustable, BIPolar, PDSO5", Case/Package=LSSOP, Manufacturer="Texas Instruments", Manufacturer Part Number=TLV431CDBVR, Max Operating Temperature=70°C, Max Output current=10mA, Max Output Voltage=1.258V, Max Supply Voltage=6V, Min Operating Temperature=0°C, Min Output Voltage=1.222V, Min Supply Voltage=1.24V, Package Body Material=Plastic, Package Equivalence Code=TSOP5/6,.11,37, Package Shape=Rectangular, Package Style="SMALL OUTLINE, LOW PROFILE, SHRINK PITCHMeter", Peak Reflow Temperature (Cel)=260°C, Supplier Part Number=595-TLV431CDBVR, Temp Coef of Voltage-Max=138.249ppm/°C, Temperature Grade=COMMERCIAL, Category="Voltage References", Channels=1, ComponentLink1Description=https://www.ti.com:443/lit/ds/symlink/tlv431.pdf?src-supplier=IHS+Markit, ComponentLink1URL=https://www.ti.com:443/lit/ds/symlink/tlv431.pdf?src-supplier=IHS+Markit, ComponentLink2Description=https://datasheet.ciiva.com/4065/29560336s9640988n7713-4065870.pdf?src-supplier=Arrow+Electronics, ComponentLink2URL=https://datasheet.ciiva.com/4065/29560336s9640988n7713-4065870.pdf?src-supplier=Arrow+Electronics, ComponentLink3Description=https://datasheet.ciiva.com/2006/tlv431a-2006342.pdf?src-supplier=Digikey, ComponentLink3URL=https://datasheet.ciiva.com/2006/tlv431a-2006342.pdf?src-supplier=Digikey, ComponentLink4Description=https://datasheet.ciiva.com/2006/tlv431a-2006343.pdf?src-supplier=Digikey, ComponentLink4URL=https://datasheet.ciiva.com/2006/tlv431a-2006343.pdf?src-supplier=Digikey, ComponentLink5Description=https://datasheet.ciiva.com/2006/tlv431a-2006344.pdf?src-supplier=Digikey, ComponentLink5URL=https://datasheet.ciiva.com/2006/tlv431a-2006344.pdf?src-supplier=Digikey, Height - Seated (Max)=1.45mm, JESD-30 Code=R-PDSO-G5, JESD-609 Code=e4, Length=2.9mm, Moisture Sensitivity Level=1, Nominal Output Voltage=1.24V, Number of Outputs=1, Pins=5, Pricing="1=0.34, 10=0.274, 50=0.274, 100=0.203, 1000=0.138, 10000=0.137 (USD)", Qualification Status="Not Qualified", Reach SVHC Compliant=Yes, RoHS=Yes, RoHS Compliant=Yes, Stock=5017, Supplier=Mouser, Surface Mount=Yes, Technology=BIPOLAR, Terminal Finish=Nickel, Terminal Form="Gull Wing", Terminal Pitch=0.95mm, Terminal Position=DUAL, Throw Configuration="THREE TERMINAL VOLTAGE REFERENCE", Trim/Adjustable Output=Yes, Width=1.6mm

## Via types
v1: diameter 0.5, hole 0.3, L1 (THT) to L4 (SMD), 84 vias
v2: diameter 0.5, hole 0.5, L1 (THT) to L4 (SMD), 49 vias
v3: diameter 0.8, hole 0.4, L1 (THT) to L4 (SMD), 39 vias
v4: diameter 1, hole 0.5, L1 (THT) to L4 (SMD), 6 vias
v5: diameter 0.56, hole 0.3, L1 (THT) to L4 (SMD), 2 vias

## Nets (pads, with @x,y where several pads share a name; then routed paths per layer and width w, separated by ;. In a path a pad name is that pad's centre, name@x,y a point inside that pad or via, vN(x,y) a via of type N, cw(c..) or ccw(c..) an arc to the next point about the centre after c; other vN are vias at no path point)
+1V2: C10.2 C11.2 C12.2 C13.2 U2.4 U2.27 U2.44 U2.59 | length 15.4
  L4 (SMD) w0.3: C12.2@99.895,80.6 99.895,80.665 100.78,81.55 U2.59@101.987,81.55 ; C10.2@102.125,71.72 102.19,71.72 102.445,71.975 102.445,72.295 103.679,73.529 105.721,73.529 105.975,73.783 U2.44@105.975,74.562 ; U2.4@105.475,86.038 105.475,86.817 106.137,87.479 107.486,87.479 108.237,88.23 C11.2@108.302,88.23 ; U2.27@113.463,79.05 114.82,79.05 115.98,77.89 C13.2@115.98,77.825